# KiCad board reform2-motherboard25.kicad_pcb (continued)
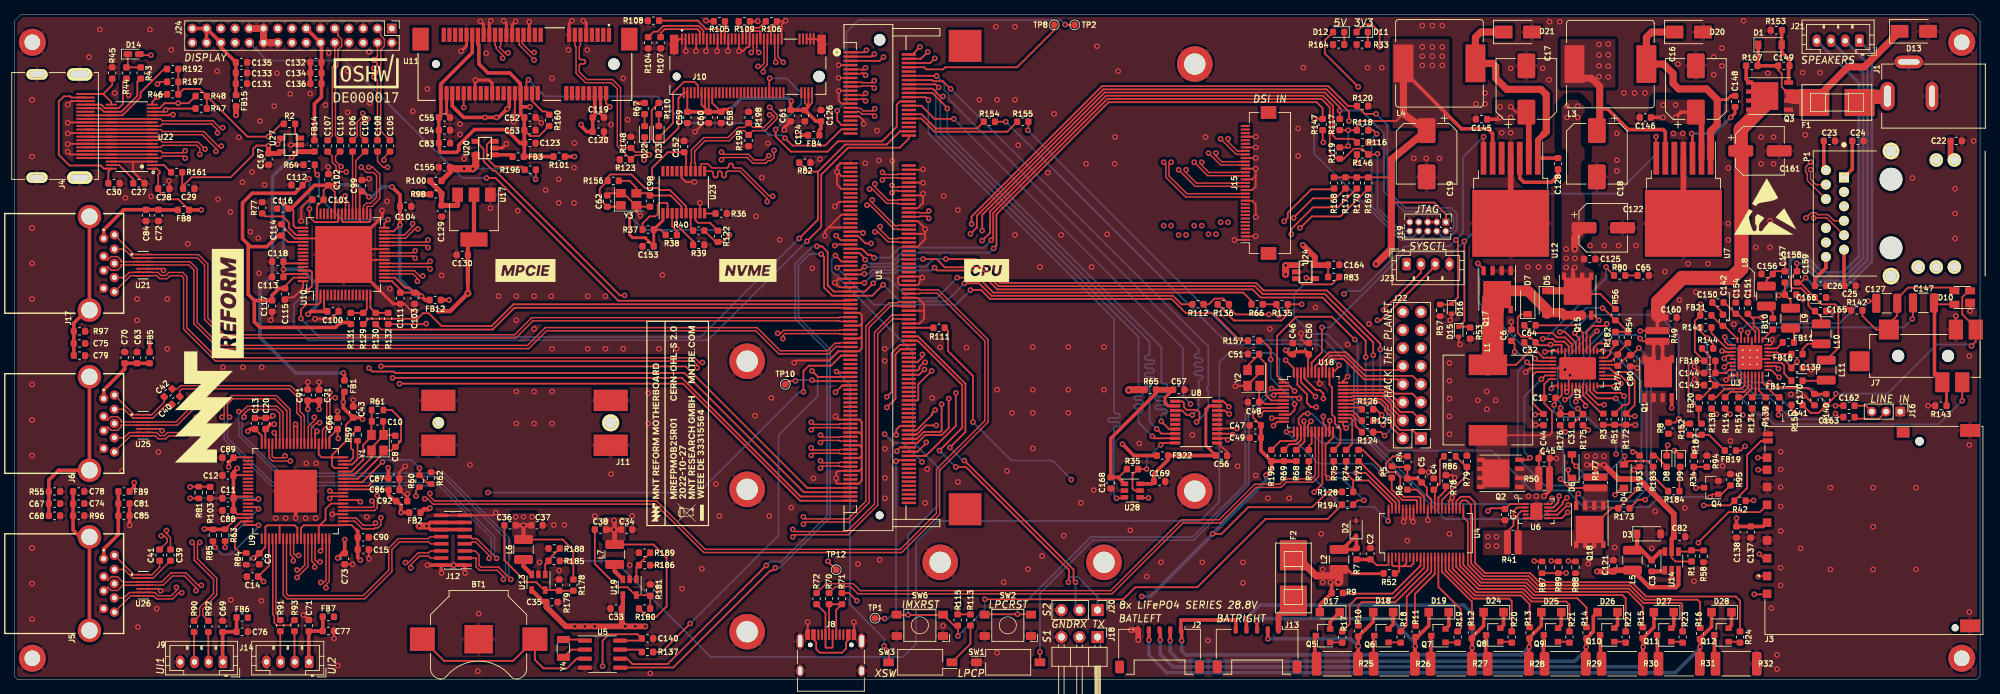
[diagram p0: board, top side]
## Routing (per net, layer and track width the routed paths; a pad name or vN(x,y) marks a point on that pad's centre or on a via; arc(x,y) is an arc through that point) (continued)
  Signal.Cu w0.25: v1(135.9,61.7) 134.3,60.1 116.1,60.1 v1(115.2,61)
HDMI_CEC: length 140.1
  Top w0.25: U22.16 21.63,79.3 21.73,79.4 v1(22.3,79.4) ; v1(53.12,42.41) 93.72,42.41 110.39,25.75 U1.197 ; R197.1 20.4,84 v1(20.1,83.7)
  Signal.Cu w0.25: v1(53.12,42.41) 49.89,42.41 43.55,48.75 40.79,48.75 17.05,72.49 17.05,77.35 20.7,81 21.2,81 ; 21.2,81 21.2,82.6 v1(20.1,83.7) ; 21.2,81 21.6,81 22.3,80.3 v1(22.3,79.4)
HDMI_CLK+: length 125.7
  Top w0.2: U1.165 115.9,35.35 115.82,35.42 112.2,35.42 v1(111.9,35.12) ; U22.13 20.55,77.8 20.83,78.08 27.71,78.08 28.53,77.25 v1(28.53,76.83)
  Top w0.25: U22.13 U22.26 J4.10
  Signal.Cu w0.2: v1(111.9,35.12) 111.6,35.42 98.56,35.42 95.41,38.58 67.21,38.58 28.95,76.83 v1(28.53,76.83)
HDMI_CLK-: length 125.7
  Top w0.2: v1(29.27,77.57) 28.85,77.57 27.89,78.53 20.83,78.53 20.55,78.8 U22.15 ; U1.163 115.9,35.95 115.82,35.88 112.2,35.88 v1(111.9,36.17)
  Top w0.25: J4.12 U22.24 U22.15
  Signal.Cu w0.2: v1(29.27,77.57) 29.27,77.15 67.39,39.03 95.59,39.03 98.74,35.88 111.6,35.88 v1(111.9,36.17)
HDMI_D0+: length 125.8
  Top w0.2: U22.29 U22.10 20.55,76.3 20.83,76.58 26.41,76.58 28.33,74.65 v1(28.33,74.23) ; v1(113.2,33.33) 113.5,33.62 115.82,33.62 115.9,33.55 U1.171
  Top w0.25: J4.7 U22.29
  Signal.Cu w0.2: v1(113.2,33.33) 112.9,33.62 69.36,33.62 28.75,74.23 v1(28.33,74.23)
HDMI_D0-: length 125.8
  Top w0.2: U1.169 115.9,34.15 115.82,34.08 113.5,34.08 v1(113.2,34.38) ; v1(29.07,74.97) 28.65,74.97 26.59,77.03 20.83,77.03 20.55,77.3 U22.12
  Top w0.25: U22.12 U22.27 J4.9
  Signal.Cu w0.2: v1(113.2,34.38) 112.9,34.08 69.54,34.08 29.07,74.55 v1(29.07,74.97)
HDMI_D1+: length 126.7
  Top w0.2: v1(111.9,31.53) 112.2,31.83 115.82,31.83 115.9,31.75 U1.177 ; U22.32 U22.7 20.55,74.8 20.83,75.08 25.63,75.08 26.05,74.65 v1(26.05,73.8)
  Top w0.25: U22.32 J4.4
  Signal.Cu w0.2: v1(111.9,31.53) 111.6,31.83 106.26,31.83 105.71,32.38 99.44,32.38 98.89,31.83 68.46,31.83 26.48,73.8 v1(26.05,73.8)
HDMI_D1-: length 126.4
  Top w0.2: v1(111.9,32.58) 112.2,32.28 115.82,32.28 115.9,32.35 U1.175 ; U22.9 20.55,75.8 20.83,75.53 25.82,75.53 v1(26.8,74.55)
  Top w0.25: U22.9 U22.30 J4.6
  Signal.Cu w0.2: v1(111.9,32.58) 111.6,32.28 106.44,32.28 105.89,32.83 99.26,32.83 98.71,32.28 68.64,32.28 26.8,74.12 v1(26.8,74.55)
HDMI_D2+: length 126.5
  Top w0.2: U1.183 115.9,29.95 115.82,30.03 113.5,30.03 v1(113.2,29.72) ; U22.35 U22.4 20.55,73.3 20.83,73.58 23.7,73.58 v1(24,73.28)
  Top w0.25: U22.35 J4.1
  Signal.Cu w0.2: v1(113.2,29.72) 112.9,30.03 105.56,30.03 104.76,30.83 100.54,30.83 99.74,30.03 67.66,30.03 24.41,73.28 v1(24,73.28)
HDMI_D2-: length 126.7
  Top w0.2: U1.181 115.9,30.55 115.82,30.47 113.5,30.47 v1(113.2,30.78) ; v1(24,74.33) 23.7,74.03 20.83,74.03 20.55,74.3 U22.6
  Top w0.25: J4.3 U22.33 U22.6
  Signal.Cu w0.2: v1(24,74.33) 67.85,30.47 99.56,30.47 100.36,31.28 104.94,31.28 105.74,30.47 112.9,30.47 v1(113.2,30.78)
HDMI_HPD: length 134.2
  Top w0.25: v1(54.1,41.6) 93.9,41.6 110.35,25.15 U1.199 ; U22.19 19.38,81.18 v1(20.05,81.85) 20.45,82.25 R46.1
  Signal.Cu w0.25: v1(54.1,41.6) 50,41.6 43.3,48.3 40.6,48.3 16.6,72.3 16.6,78.4 v1(20.05,81.85)
HDMI_SCL: length 129.4
  Top w0.25: R47.1 21.46,80.25 v1(21.26,80.05) 21.01,79.8 U22.17 ; v1(49.79,43.79) 50.27,43.3 53.31,43.3 53.51,43.1 94.1,43.1 110.85,26.35 U1.195
  Signal.Cu w0.25: v1(21.26,80.05) 21.26,72.36 41.11,52.5 41.46,52.5 49.39,44.58 49.39,44.19 v1(49.79,43.79)
HDMI_SDA: length 129.3
  Top w0.25: U22.18 20.41,80.3 21.11,81 v1(23,81) 24.46,81 R48.1 ; U1.193 111.35,26.95 94.27,44.03 v1(51.5,44.03)
  Signal.Cu w0.25: v1(23,81) 23,80.43 23.1,80.33 23.1,71.15 41.3,52.95 41.65,52.95 50.57,44.03 v1(51.5,44.03)
IMX_FBOOT: length 45.9
  Top w0.25: v1(122.15,4.75) 122.8,4.1 122.8,2.5 ; U1.139 115.6,43.15 v1(115.45,43.3)
  Bottom w0.25: v1(122.15,4.75) 122.15,5.75 117.35,10.55 117.35,41.4 v1(115.45,43.3)
IMX_JTAG_TCK: length 113.4
  Top w0.25: U1.73 118.99,62.95 v1(119.17,62.77) ; v1(134.41,64.02) 134.41,65.09 152.72,83.4 184.5,83.4 187.3,80.6 R120.1 189.61,79.5 v1(191.2,79.5)
  Signal.Cu w0.25: v1(119.17,62.77) 119.74,62.2 132.58,62.2 v1(134.41,64.02)
  Bottom w0.25: J19.4 200.56,62.2 201.52,62.2 202.5,63.19 202.5,65.5 201.7,66.3 195.3,66.3 192.8,68.8 192.8,77.9 v1(191.2,79.5)
IMX_JTAG_TDI: length 108.3
  Top w0.25: v1(120.3,61.3) 119.52,61.3 118.47,62.35 U1.75 ; v1(134.26,62.65) 135.15,63.55 135.15,65.2 152.9,82.95 184.25,82.95 187.4,79.8 v1(187.4,78.5) ; v1(191.3,76.7) 190.8,77.2 R118.2
  Signal.Cu w0.25: v1(120.3,61.3) 132.9,61.3 v1(134.26,62.65)
  Bottom w0.25: v1(187.4,78.5) 189.5,78.5 v1(191.3,76.7) 190.57,75.97 190.57,66.49 194.86,62.2 196.36,62.2 J19.8
IMX_JTAG_TMS: length 116.5
  Top w0.25: v1(115.4,62.4) 116.05,61.75 U1.77 ; v1(135.9,63.1) 135.9,65.31 153.09,82.5 184,82.5 186.1,80.4 R117.2
  Signal.Cu w0.25: v1(115.4,62.4) 117.23,60.57 133.37,60.57 v1(135.9,63.1)
  Bottom w0.25: J19.2 201.71,63.03 202.05,63.37 202.05,65.15 201.4,65.8 195.1,65.8 192.3,68.6 192.3,76.77 189.1,79.97 v1(186.07,79.97)
IMX_RESETn: length 134.3
  Top w0.25: R194.1 184.41,22.6 175.7,22.6 166.1,13 157.4,13 155.7,11.3 v1(136.25,11.3) ; SW6.2 123.95,9.1 v1(125.5,9.1) 130.35,9.1 SW6.2 131.94,7.61 R115.2 132.5,7.56 v1(132.5,6.15) ; v1(115.3,59.6) 116.15,58.75 U1.87
  Bottom w0.25: v1(132.5,6.15) 136.25,9.9 v1(136.25,11.3) ; v1(115.3,59.6) 114.77,59.07 114.77,57.43 126.15,46.05 126.15,33.4 129.8,29.75 129.8,24.6 125.5,20.3 v1(125.5,9.1)
IMX_RTC_IRQ: length 55.9
  Top w0.25: U1.141 112.85,42.55 v1(112,43.4) ; R137.1 90.9,3.9 v1(94.9,7.9)
  Bottom w0.25: v1(112,43.4) 112.8,42.6 112.8,39.83 107.3,34.33 107.3,20.3 v1(94.9,7.9)
IMX_UART1_RX: length 64.9
  Top w0.25: U1.126 124.35,47.05 123.2,45.9 123.2,40.45 v1(122.5,39.75)
  Signal.Cu w0.25: J18.2 150.74,4.82 153.21,4.82 153.28,4.89 153.28,7.11 153.21,7.18 152.22,7.18 150.92,8.48 150.92,10.17 149.51,11.59 144.05,11.59 125.75,29.89 125.75,34.46 123.5,36.71 123.5,38.75 v1(122.5,39.75)
IMX_UART1_TX: length 57
  Top w0.25: v1(122.5,38.25) 123.73,39.48 123.73,45.74 124.44,46.45 U1.128
  Signal.Cu w0.25: v1(122.5,38.25) 122.5,37.07 125.3,34.27 125.3,29.7 143.86,11.14 147.42,11.14 148.38,10.17 148.38,9.24 151.62,6 J18.1
IMX_UART2_RX: length 51.1
  Top w0.25: v1(133.4,30.8) 148.73,15.47 148.73,13.97 v1(149,13.7) ; v1(131.36,32.64) 133.55,34.82 133.55,41.59 126.89,48.25 U1.122
  Bottom w0.25: v1(149,13.7) 149,10.36 J20.2 ; v1(133.4,30.8) 133.2,30.8 v1(131.36,32.64)
IMX_UART2_TX: length 55.3
  Top w0.25: v1(132.2,29.9) 133.6,29.9 148.1,15.4 148.1,13.8 v1(148,13.7) ; U1.124 126.85,47.65 133.1,41.4 133.1,35.4 v1(129.9,32.2)
  Bottom w0.25: v1(129.9,32.2) v1(132.2,29.9) ; v1(148,13.7) 148,14.27 148.16,14.43 149.35,14.43 152.1,11.67 J20.1
IMX_WAKE: length 93
  Top w0.25: v1(115.3,40.4) 116.25,41.35 U1.145 ; v1(182.5,26.35) 183.65,27.5 U18.21
  Signal.Cu w0.25: v1(182.5,26.35) 182.5,26.2 178.15,21.85 134.42,21.85 126.2,30.07 126.2,34.65 123.95,36.9 123.95,39.75 122.9,40.8 115.7,40.8 v1(115.3,40.4)
INA_SCL: length 49
  Top w0.25: U6.10 215.8,24.7 215.9,24.8 v1(215.9,25.5) ; v1(181.6,37.4) 181.03,37.4 180.33,36.7 180.33,35.98 180.65,35.66 U18.15 180.65,33.65 180.1,33.1 179.06,33.1 R69.2
  Bottom w0.25: v1(181.6,37.4) 182.17,37.4 185.87,33.7 190.4,33.7 199.4,24.7 215.1,24.7 v1(215.9,25.5)
INA_SDA: length 50.9
  Top w0.25: v1(216.9,25.8) 216.75,25.65 216.75,24.85 216.1,24.2 U6.9 ; v1(181.05,36.32) 181.15,36.23 U18.16 181.15,33.44 R68.2
  Bottom w0.25: v1(181.05,36.32) 181.05,35.76 183.56,33.25 190.21,33.25 200.89,22.58 214.28,22.58 216.9,25.2 v1(216.9,25.8)
LPC_MISO: length 95.9
  Top w0.25: U1.93 119.28,56.95 v1(119.36,57.03) ; v1(191.8,46.4) 191.8,47.2 184.3,54.7 175.4,54.7 174.35,55.75 138.38,55.75 135.03,59.1 v1(130.8,59.1) ; R124.2 191.9,34.8 v1(192.4,34.3)
  Bottom w0.25: v1(130.8,59.1) 129.03,59.1 127.98,58.05 123.97,58.05 123.49,57.57 120.47,57.57 119.92,57.03 v1(119.36,57.03) ; v1(192.4,34.3) 193.3,35.2 193.3,39 191.8,40.5 v1(191.8,46.4)
LPC_MOSI: length 93.2
  Top w0.25: U1.91 118.85,57.55 119.33,58.03 v1(119.39,58.03) ; R125.2 191.6,36.4 v1(192.2,35.8) ; v1(190.8,45.6) 190.8,47.4 184,54.2 175.26,54.2 174.16,55.3 138.19,55.3 135.54,57.95 130.65,57.95 129.5,59.1 v1(127.6,59.1)
  Bottom w0.25: v1(127.6,59.1) 127.57,59.13 124.42,59.13 123.31,58.02 119.96,58.02 119.96,58.03 v1(119.39,58.03) ; v1(192.2,35.8) 192.73,36.33 192.73,38.07 190.8,40 v1(190.8,45.6)
LPC_SCK: length 90.4
  Top w0.25: v1(192,37.2) 191.2,38 R126.2 ; v1(129.2,57.9) 129.6,57.5 135.35,57.5 138,54.85 173.85,54.85 175,53.7 183.67,53.7 189.74,47.64 v1(189.74,45.33) ; U1.97 v1(119.35,55.75)
  Bottom w0.25: v1(119.35,55.75) 120.72,57.12 123.68,57.12 124.06,57.5 128.8,57.5 v1(129.2,57.9) ; v1(189.74,45.33) 189.74,39.46 v1(192,37.2)
LPC_SS0: length 65.7
  Top w0.25: R157.2 172.1,47.65 168.25,51.5 164.5,51.5 162.5,53.5 137,53.5 135.75,54.75 v1(134.25,54.75) ; U1.89 115.75,58.15 v1(115.5,57.9)
  Bottom w0.25: v1(115.5,57.9) 120.7,52.7 132.2,52.7 v1(134.25,54.75)
LPC_UART2_RX: length 63.9
  Top w0.25: U18.37 186,44.01 v1(186,44.2) ; R154.1 v1(139.2,78.4)
  Bottom w0.25: v1(186,44.2) 183.07,47.13 170.47,47.13 v1(139.2,78.4)
LPC_UART2_TX: length 62.7
  Top w0.25: R155.2 142.39,77.29 v1(142.3,77.2) ; v1(187.2,42.6) 186.56,41.96 U18.36
  Bottom w0.25: v1(187.2,42.6) 187.2,44.47 183.97,47.71 171.79,47.71 v1(142.3,77.2)
LPC_VCC: length 326.4
  Top w0.25: R128.2 184.4,26.4 182.25,24.25 173.25,24.25 169.5,20.5 v1(168.25,20.5) ; U18.44 181.65,45.08 181.75,45.17 C50.1 ; v1(206.9,23.7) 207.3,24.1 209.19,24.1 C7.1 210.01,24.7 U6.1 ; v1(217.9,15) 217.88,14.97 R89.2 R87.2 ; U18.8 178.21,38.23 177.41,38.23 177.38,38.2 175.26,38.2 175.25,38.18 175.23,38.2 174.73,38.2 173.9,37.37 173.9,36.89 C47.1 ; v1(82.6,1.9) 82.6,5.5 83.5,6.4 87.51,6.4 C140.2 87.82,5.5 85.08,5.5 ; v1(118.3,11.1) 117.21,12.19 R71.1
  Top w0.5: C50.1 181.36,46.1 179.89,46.1 C46.1 179.09,45.71 v1(178.5,46.3) ; 179.75,30.71 R195.1 ; R195.1 175.04,32.17 C47.1 ; R195.1 176.5,29.5 v1(175.75,28.75)
  Top w0.6: L5.2 229.6,13 233.3,13 233.65,13.35 U14.3
  Top w0.8: L5.2 224.69,15.4 C121.2 v1(223.21,15.21) v1(222.21,15.21)
  Power.Cu w0.25: 120.7,3.1 120.6,3.2 120.6,8.8 v1(118.3,11.1) ; v1(217.9,15) 217.9,13.8 219.35,12.35 ; 209.5,10.7 209.6,10.8 209.6,21 v1(206.9,23.7)
  Power.Cu w0.4: v1(82.6,1.9) 83.8,3.1 131.5,3.1 140.1,11.7 v1(158.3,11.7)
  Power.Cu w0.5: 182.25,44.35 182.65,43.95 182.65,42.65 181.5,41.5 181.5,38.81 179.68,36.99 179.68,32.68 v1(175.75,28.75) ; 182.25,44.35 J23.1 195.5,55.7 197.5,53.7 J22.15 ; 182.25,44.35 180.3,46.3 v1(178.5,46.3)
  Power.Cu w1: v1(168.25,20.5) 172.95,20.5 182.75,10.7 217.7,10.7 v1(222.21,15.21) v1(223.21,15.21)
  Bottom w0.5: 168.3,20.5 159.5,11.7 v1(158.3,11.7) ; v1(168.25,20.5) 175.75,28 v1(175.75,28.75)
PCIE1_CLK_N: length 66.2
  Top w0.2: U1.60 124.1,66.85 124.02,66.92 122.51,66.92 120.5,68.93 v1(120.08,68.93) ; U11.11 79.5,89.1 79.33,88.92 79.33,87.42 79.33,87.36 79.35,87.29 79.39,87.24 79.44,87.19 79.49,87.15 79.56,87.13 79.62,87.12 79.9,87.12 79.97,87.12 80.03,87.1 80.09,87.06 80.14,87.01 80.17,86.96 80.2,86.89 80.2,86.83 80.2,86.76 80.17,86.69 80.14,86.64 80.09,86.59 80.03,86.55 79.97,86.53 79.9,86.53 79.62,86.53 79.56,86.52 79.49,86.5 79.44,86.46 79.39,86.41 79.35,86.36 79.33,86.29 79.33,86.22 79.33,85.39 80.39,84.33 83.99,84.33 85.12,83.19 85.12,75.2 85.61,74.71 R148.2 87.17,74.14 88.38,74.14 88.75,73.77 v1(89.17,73.77) ; v1(99.3,74.12) 99.6,73.83 103.09,73.83 103.89,73.03 105.32,73.03 v1(105.93,73.63)
  Signal.Cu w0.2: v1(99.3,74.12) 99,73.83 96.01,73.83 95.66,73.48 89.46,73.48 v1(89.17,73.77) ; v1(105.93,73.63) 106.35,73.63 110.76,69.22 119.79,69.22 v1(120.08,68.93)
PCIE1_CLK_P: length 68.2
  Top w0.2: v1(99.3,73.08) 99.6,73.38 102.91,73.38 103.71,72.58 105.51,72.58 105.87,72.93 106.26,72.93 106.63,73.29 106.63,73.69 106.67,73.73 v1(106.67,74.37) ; U1.58 124.1,67.45 124.02,67.38 122.69,67.38 120.82,69.25 v1(120.82,69.67) ; U11.13 78.7,89.1 78.88,88.92 78.88,85.21 80.21,83.88 83.81,83.88 84.67,83.01 84.67,75.01 R123.2 87.17,73.69 88.19,73.69 88.43,73.45 v1(88.43,73.03)
  Signal.Cu w0.2: v1(88.43,73.03) 95.85,73.03 96.19,73.38 99,73.38 v1(99.3,73.08) ; v1(120.82,69.67) 110.95,69.67 106.67,73.95 v1(106.67,74.37)
PCIE1_PWR_EN: length 182.1
  Top w0.25: v1(85.7,54) 85.05,54 67.55,71.5 67.25,71.5 65.9,72.85 65.9,74.55 U20.4 ; R186.1 v1(90.7,16.1) ; U18.9 175.45,37.75 v1(174.9,37.2)
  Signal.Cu w0.25: v1(85.7,54) 103.2,54 111.5,45.7 119.54,45.7 126.65,38.59 126.65,33 127.5,32.15 128.74,32.15 136.04,39.45 161.3,39.45 162.25,40.4 171.7,40.4 v1(174.9,37.2)
  Power.Cu w0.25: v1(85.7,54) 87.95,51.75 87.95,18.85 v1(90.7,16.1)
PCIE1_RESETn: length 52
  Top w0.25: U11.22 71.9,84 v1(72.2,84.3) ; v1(108.2,76.1) 109.25,75.05 113.85,75.05 116.15,77.35 U1.37
  Bottom w0.25: v1(72.2,84.3) 74.55,81.95 90.3,81.95 94.05,78.2 104.33,78.2 106.03,76.5 107.8,76.5 v1(108.2,76.1)
PCIE1_RX_N: length 81
  Top w0.2: v1(123.25,68.42) 123.55,68.72 124.02,68.72 124.1,68.65 U1.54 ; U11.23 71.5,89.9 71.33,89.72 71.33,89.39 72.59,88.12 v1(73,88.12)
  Signal.Cu w0.2: v1(73,88.12) 73.3,87.83 74.11,87.83 75.89,89.61 75.93,89.66 75.96,89.72 75.98,89.79 75.98,89.85 75.96,89.92 75.93,89.98 75.89,90.03 75.86,90.07 75.81,90.12 75.78,90.18 75.77,90.25 75.77,90.31 75.78,90.38 75.81,90.44 75.86,90.49 75.91,90.54 75.97,90.56 76.03,90.58 76.1,90.58 76.17,90.56 76.23,90.54 76.28,90.49 76.32,90.46 76.37,90.42 76.43,90.39 76.49,90.37 76.56,90.37 76.63,90.39 76.69,90.42 76.74,90.46 77.81,91.53 108.09,91.53 111.07,88.54 111.07,83.59 112.32,82.34 112.32,79.19 116.79,74.72 124.74,74.72 126.18,73.29 126.18,69.61 125.29,68.72 123.55,68.72 v1(123.25,68.42)
PCIE1_RX_P: length 81
  Top w0.2: U1.52 124.1,69.25 124.02,69.17 123.55,69.17 v1(123.25,69.47) ; v1(73,87.08) 70.88,89.2 70.88,89.72 70.7,89.9 U11.25
  Signal.Cu w0.2: v1(123.25,69.47) 123.55,69.17 125.11,69.17 125.72,69.79 125.72,73.11 124.56,74.28 116.61,74.28 111.88,79.01 111.88,82.16 110.62,83.41 110.62,88.36 107.91,91.08 77.99,91.08 75.76,88.84 75.72,88.79 75.69,88.73 75.67,88.66 75.67,88.59 75.69,88.53 75.72,88.47 75.76,88.42 75.97,88.2 76.01,88.15 76.04,88.09 76.05,88.03 76.05,87.96 76.04,87.89 76.01,87.83 75.97,87.78 75.92,87.74 75.86,87.71 75.79,87.69 75.72,87.69 75.66,87.71 75.6,87.74 75.54,87.78 75.33,87.99 75.28,88.03 75.22,88.06 75.15,88.08 75.09,88.08 75.02,88.06 74.96,88.03 74.91,87.99 74.29,87.38 73.3,87.38 v1(73,87.08)
PCIE1_TX_N: length 85.2
  Top w0.2: U1.48 124.1,70.45 124.02,70.53 122.2,70.53 v1(121.9,70.22) ; v1(69.32,88.07) 68.9,88.07 68.12,88.84 68.12,88.92 68.3,89.1 U11.31
  Signal.Cu w0.2: v1(69.32,88.07) 67.79,88.07 67.33,87.61 67.33,85.96 71.11,82.17 73.53,82.17 73.57,82.17 73.61,82.16 73.64,82.13 73.67,82.1 73.7,82.07 73.71,82.03 73.72,81.94 73.74,81.9 73.76,81.86 73.79,81.83 73.83,81.81 73.87,81.8 73.91,81.79 74.12,81.79 74.17,81.8 74.21,81.81 74.24,81.83 74.27,81.86 74.3,81.9 74.31,81.94 74.32,82.03 74.34,82.07 74.36,82.1 74.39,82.13 74.43,82.16 74.47,82.17 74.51,82.17 85.69,82.17 87.53,84.01 87.53,87.61 89.44,89.53 107.11,89.53 109.22,87.41 109.22,82.81 110.32,81.71 110.32,78.76 118.56,70.53 121.6,70.53 v1(121.9,70.22)
PCIE1_TX_P: length 85
  Top w0.2: U1.46 124.1,71.05 124.02,70.97 122.2,70.97 v1(121.9,71.28) ; v1(68.58,87.33) 68.58,87.75 67.67,88.66 67.67,88.92 67.5,89.1 U11.33
  Signal.Cu w0.2: v1(68.58,87.33) 68.29,87.62 67.97,87.62 67.78,87.42 67.78,86.14 71.29,82.62 75.12,82.62 75.19,82.63 75.26,82.65 75.31,82.69 75.36,82.74 75.4,82.79 75.42,82.86 75.42,82.92 75.42,83.08 75.43,83.15 75.45,83.21 75.49,83.27 75.54,83.32 75.59,83.35 75.66,83.37 75.72,83.38 75.79,83.37 75.86,83.35 75.91,83.32 75.96,83.27 76,83.21 76.02,83.15 76.03,83.08 76.03,82.92 76.03,82.86 76.05,82.79 76.09,82.74 76.14,82.69 76.19,82.65 76.26,82.63 76.33,82.62 76.39,82.63 76.46,82.65 76.51,82.69 76.56,82.74 76.6,82.79 76.62,82.86 76.62,82.92 76.62,83.08 76.63,83.15 76.65,83.21 76.69,83.27 76.74,83.32 76.79,83.35 76.86,83.37 76.92,83.38 76.99,83.37 77.06,83.35 77.11,83.32 77.16,83.27 77.2,83.21 77.22,83.15 77.22,83.08 77.22,82.92 77.23,82.86 77.25,82.79 77.29,82.74 77.34,82.69 77.39,82.65 77.46,82.63 77.53,82.62 85.51,82.62 87.08,84.19 87.08,87.79 89.26,89.97 107.29,89.97 109.68,87.59 109.68,82.99 110.78,81.89 110.78,78.94 118.74,70.97 121.6,70.97 v1(121.9,71.28)
PCIE2_CLK_N: length 40
  Top w0.2: v1(105.73,67.18) 105.73,67.55 105.72,67.56 105.72,67.61 101.88,71.45 100.25,71.45 100.18,71.44 100.12,71.42 100.06,71.38 100.02,71.34 99.98,71.28 99.96,71.22 99.95,71.15 99.95,70.85 99.94,70.78 99.92,70.72 99.88,70.66 99.84,70.61 99.78,70.58 99.72,70.55 99.65,70.55 99.58,70.55 99.52,70.58 99.46,70.61 99.42,70.66 99.38,70.72 99.36,70.78 99.35,70.85 99.35,71.15 99.34,71.22 99.32,71.28 99.28,71.34 99.24,71.38 99.18,71.42 99.12,71.44 99.05,71.45 98.98,71.44 98.92,71.42 98.86,71.38 98.82,71.34 98.78,71.28 98.76,71.22 98.75,71.15 98.75,70.85 98.74,70.78 98.72,70.72 98.68,70.66 98.64,70.61 98.58,70.58 98.52,70.55 98.45,70.55 98.38,70.55 98.32,70.58 98.26,70.61 98.22,70.66 98.18,70.72 98.16,70.78 98.15,70.85 98.15,71.15 98.14,71.22 98.12,71.28 98.08,71.34 98.04,71.38 97.98,71.42 97.92,71.44 97.85,71.45 U23.11 ; U1.66 127.1,65.05 127.18,65.12 128.1,65.12 v1(128.4,64.83)
  Signal.Cu w0.2: v1(105.73,67.18) 106.15,67.18 108.21,65.12 128.1,65.12 v1(128.4,64.83)
PCIE2_CLK_P: length 40
  Top w0.2: v1(106.47,67.92) 106.05,67.92 102.07,71.9 101.2,71.9 101.13,71.91 101.07,71.93 101.01,71.97 100.97,72.01 100.93,72.07 100.91,72.13 100.9,72.2 100.9,72.25 100.89,72.31 100.87,72.38 100.83,72.43 100.79,72.48 100.73,72.52 100.67,72.54 100.6,72.55 100.53,72.54 100.47,72.52 100.41,72.48 100.37,72.43 100.33,72.38 100.31,72.31 100.3,72.25 100.3,72.2 100.29,72.13 100.27,72.07 100.23,72.01 100.19,71.97 100.13,71.93 100.07,71.91 100,71.9 97.97,71.9 97.39,72.48 96.46,72.48 96.4,72.42 96.4,71.57 U23.12 ; U1.64 127.1,65.65 127.18,65.58 128.1,65.58 v1(128.4,65.88)
  Signal.Cu w0.2: v1(106.47,67.92) 106.47,67.5 108.39,65.58 128.1,65.58 v1(128.4,65.88)
PCIE2_RESETn: length 39.2
  Top w0.25: U1.24 124.35,81.25 123.9,80.8 123.9,77.7 121.85,75.65 115.65,75.65 114.2,74.2 109.03,74.2 106.9,76.33 v1(106.9,77.3) ; J10.50 106,84.45 v1(106.05,84.5)
  Bottom w0.25: v1(106.9,77.3) 110.5,80.9 110.5,82.4 108.4,84.5 v1(106.05,84.5)
PCIE2_RX_N: length 50
  Top w0.2: U1.78 124.1,61.45 124.02,61.53 122.66,61.53 121.25,62.93 v1(120.83,62.93) ; J10.41 103.75,88.86 103.78,88.84 103.78,88.42 v1(103.47,88.12)
  Signal.Cu w0.2: v1(103.47,88.12) 103.47,87.71 101.57,85.81 101.57,85.03 101.57,84.96 101.55,84.89 101.51,84.84 101.46,84.79 101.41,84.75 101.34,84.73 101.28,84.72 101.17,84.72 101.1,84.72 101.04,84.7 100.98,84.66 100.94,84.61 100.9,84.56 100.88,84.49 100.87,84.42 100.88,84.36 100.9,84.29 100.94,84.24 100.98,84.19 101.04,84.15 101.1,84.13 101.17,84.12 101.28,84.12 101.34,84.12 101.41,84.1 101.46,84.06 101.51,84.01 101.55,83.96 101.57,83.89 101.57,83.83 101.57,69.41 107.31,63.67 120.51,63.67 120.83,63.35 v1(120.83,62.93)
PCIE2_RX_P: length 50
  Top w0.2: U1.76 124.1,62.05 124.02,61.97 122.84,61.97 121.57,63.25 v1(121.57,63.67) ; J10.43 104.25,88.86 104.22,88.84 104.22,88.42 v1(104.53,88.12)
  Signal.Cu w0.2: v1(121.57,63.67) 121.15,63.67 120.69,64.12 107.49,64.12 102.03,69.59 102.03,82.12 102.03,82.19 102.05,82.26 102.09,82.31 102.14,82.36 102.19,82.4 102.26,82.42 102.32,82.42 102.68,82.42 102.75,82.43 102.81,82.45 102.87,82.49 102.91,82.54 102.95,82.59 102.97,82.66 102.98,82.72 102.97,82.79 102.95,82.86 102.91,82.91 102.87,82.96 102.81,83 102.75,83.02 102.68,83.03 102.32,83.03 102.26,83.03 102.19,83.05 102.14,83.09 102.09,83.14 102.05,83.19 102.03,83.26 102.03,83.33 102.03,85.62 v1(104.53,88.12)
PCIE2_TX_N: length 44.1
  Top w0.2: U1.72 124.1,63.25 124.02,63.33 123.51,63.33 120.15,66.68 v1(119.73,66.68) ; v1(104.43,86.17) 104.85,86.17 105.28,86.59 105.28,88.84 105.25,88.86 J10.47
  Signal.Cu w0.2: v1(104.43,86.17) 104.43,85.75 104.18,85.49 104.18,81.67 104.17,81.62 104.15,81.56 104.12,81.51 104.07,81.47 104.02,81.43 103.97,81.41 103.85,81.4 103.79,81.38 103.74,81.35 103.7,81.31 103.67,81.26 103.65,81.2 103.64,81.14 103.64,81.08 103.65,81.02 103.67,80.96 103.7,80.91 103.74,80.87 103.79,80.83 103.85,80.81 103.97,80.8 104.02,80.78 104.07,80.75 104.12,80.71 104.15,80.66 104.17,80.6 104.18,80.54 104.18,73.01 109.81,67.38 119.46,67.38 119.73,67.1 v1(119.73,66.68)
PCIE2_TX_P: length 44
  Top w0.2: v1(105.17,85.43) 105.17,85.85 105.72,86.41 105.72,88.84 105.75,88.86 J10.49 ; v1(120.47,67.42) 120.47,67 123.69,63.78 124.02,63.78 124.1,63.85 U1.70
  Signal.Cu w0.2: v1(105.17,85.43) 104.6,84.86 104.6,83.7 104.61,83.63 104.63,83.57 104.67,83.51 104.71,83.47 104.77,83.43 104.83,83.41 104.9,83.4 105.3,83.4 105.37,83.39 105.43,83.37 105.49,83.33 105.53,83.29 105.57,83.23 105.59,83.17 105.6,83.1 105.59,83.03 105.57,82.97 105.53,82.91 105.49,82.87 105.43,82.83 105.37,82.81 105.3,82.8 104.9,82.8 104.83,82.79 104.77,82.77 104.71,82.73 104.67,82.69 104.63,82.63 104.61,82.57 104.6,82.5 104.6,78.11 104.62,78.09 104.62,73.19 109.99,67.83 120.07,67.83 v1(120.47,67.42)
SD2_CD: length 156.2
  Top w0.25: v1(131.9,78.8) 129.2,78.8 127.35,80.65 U1.26 ; v1(237.2,24.5) 240.86,24.5 R42.2 243.15,26.79 243.15,26.8 243.3,26.95 243.3,31.6 245.27,33.57 J3.10
  Signal.Cu w0.25: v1(237.2,24.5) 235.5,22.8 213.1,22.8 203.4,32.5 177.6,32.5 170.85,39.25 165.65,39.25 v1(165.15,38.75)
  Bottom w0.25: v1(165.15,38.75) 164.1,39.8 164.1,46.6 v1(131.9,78.8)
SD2_CLK: length 75
  Top w0.25: U1.22 127.95,81.85 v1(128.35,81.45) ; v1(154.75,25.5) 155.74,25.5 U28.3
  Bottom w0.25: v1(154.75,25.5) 154.4,25.85 154.4,35.3 arc(154.49,35.51) 154.7,35.6 154.94,35.6 arc(155.15,35.69) 155.24,35.9 arc(155.15,36.11) 154.94,36.2 153.86,36.2 arc(153.65,36.29) 153.56,36.5 arc(153.65,36.71) 153.86,36.8 154.94,36.8 arc(155.15,36.89) 155.24,37.1 arc(155.15,37.31) 154.94,37.4 154.7,37.4 arc(154.49,37.49) 154.4,37.7 154.4,50.7 128.35,76.75 v1(128.35,81.45)
SD2_CMD: length 75
  Top w0.25: 163,35.22 162.12,35.22 v1(161.05,36.3) ; U1.20 128.9,82.45 131,80.35 v1(131,80.25)
  Bottom w0.25: v1(161.05,36.3) 161.05,37.1 arc(161.14,37.31) 161.35,37.4 161.6,37.4 arc(161.81,37.49) 161.9,37.7 arc(161.81,37.91) 161.6,38 160.5,38 arc(160.29,38.09) 160.2,38.3 arc(160.29,38.51) 160.5,38.6 161.6,38.6 arc(161.81,38.69) 161.9,38.9 arc(161.81,39.11) 161.6,39.2 160.5,39.2 arc(160.29,39.29) 160.2,39.5 arc(160.29,39.71) 160.5,39.8 161.6,39.8 arc(161.81,39.89) 161.9,40.1 arc(161.81,40.31) 161.6,40.4 160.5,40.4 arc(160.29,40.49) 160.2,40.7 arc(160.29,40.91) 160.5,41 161.6,41 arc(161.81,41.09) 161.9,41.3 arc(161.81,41.51) 161.6,41.6 161.35,41.6 arc(161.14,41.69) 161.05,41.9 161.05,46.75 131,76.8 v1(131,80.25)
SD2_DATA0: length 75
  Top w0.25: U1.12 129.48,84.85 v1(129.5,84.83) ; U8.3 163.97,37.83 164.6,37.2 v1(165.4,37.2)
  Bottom w0.25: v1(165.4,37.2) 166.28,38.07 166.28,41.88 arc(166.36,42.09) 166.57,42.18 arc(166.77,42.26) 166.86,42.47 166.86,42.48 arc(166.77,42.69) 166.57,42.78 165.98,42.78 arc(165.78,42.86) 165.69,43.07 165.69,43.08 arc(165.78,43.29) 165.98,43.38 166.57,43.38 arc(166.77,43.46) 166.86,43.67 166.86,43.68 arc(166.77,43.89) 166.57,43.98 165.98,43.98 arc(165.78,44.06) 165.69,44.27 165.69,44.28 arc(165.78,44.49) 165.98,44.58 166.57,44.58 arc(166.77,44.66) 166.86,44.87 166.86,44.88 arc(166.77,45.09) 166.57,45.18 166.28,45.18 166.28,45.18 165.98,45.18 arc(165.78,45.27) 165.69,45.48 165.69,45.49 arc(165.78,45.7) 165.98,45.78 arc(166.19,45.87) 166.28,46.08 166.28,46.49 131.14,81.62 131.14,82.3 130.57,82.88 130.57,83.76 v1(129.5,84.83)
SD2_DATA1: length 75
  Top w0.25: U1.14 128.85,84.25 129,84.1 130.37,84.1 v1(131.46,83.01) ; U8.1 164,39.12 164.22,38.9 164.22,38.3 164.6,37.92 166.08,37.92 166.4,37.6 166.4,36.6 v1(166,36.2)
  Bottom w0.25: v1(131.46,83.01) 167.65,46.82 167.65,41.25 arc(167.62,41.19) 167.56,41.16 arc(167.49,41.13) 167.47,41.07 167.47,40.65 arc(167.49,40.59) 167.56,40.56 arc(167.62,40.53) 167.65,40.47 167.65,37.85 v1(166,36.2)
SD2_DATA2: length 75
  Top w0.25: U8.9 160.07,33.92 v1(159.8,34.2) ; v1(129.79,83.22) 129.36,83.65 U1.16
  Bottom w0.25: v1(159.8,34.2) 157.85,36.15 157.85,37.2 arc(157.94,37.41) 158.15,37.5 158.16,37.5 arc(158.37,37.59) 158.46,37.8 arc(158.37,38.01) 158.16,38.1 157.54,38.1 arc(157.33,38.19) 157.24,38.4 arc(157.33,38.61) 157.54,38.7 158.16,38.7 arc(158.37,38.79) 158.46,39 arc(158.37,39.21) 158.16,39.3 157.54,39.3 arc(157.33,39.39) 157.24,39.6 arc(157.33,39.81) 157.54,39.9 158.16,39.9 arc(158.37,39.99) 158.46,40.2 arc(158.37,40.41) 158.16,40.5 157.54,40.5 arc(157.33,40.59) 157.24,40.8 arc(157.33,41.01) 157.54,41.1 157.55,41.1 arc(157.76,41.19) 157.85,41.4 157.85,48.15 129.39,76.61 129.39,82.82 v1(129.79,83.22)
SD2_DATA3: length 75
  Top w0.25: v1(160.4,35.25) 161.07,34.58 U8.8 ; U1.18 128.94,83.05 130.03,81.96 v1(130.42,81.96)
  Bottom w0.25: v1(160.4,35.25) 159.4,36.25 159.4,41.05 arc(159.31,41.26) 159.1,41.35 159.02,41.35 arc(158.81,41.44) 158.72,41.65 arc(158.81,41.86) 159.02,41.95 159.78,41.95 arc(159.99,42.04) 160.08,42.25 arc(159.99,42.46) 159.78,42.55 159.02,42.55 arc(158.81,42.64) 158.72,42.85 arc(158.81,43.06) 159.02,43.15 159.78,43.15 arc(159.99,43.24) 160.08,43.45 arc(159.99,43.66) 159.78,43.75 159.02,43.75 arc(158.81,43.84) 158.72,44.05 arc(158.81,44.26) 159.02,44.35 159.78,44.35 arc(159.99,44.44) 160.08,44.65 arc(159.99,44.86) 159.78,44.95 159.02,44.95 arc(158.81,45.04) 158.72,45.25 arc(158.81,45.46) 159.02,45.55 159.1,45.55 arc(159.31,45.64) 159.4,45.85 159.4,47.5 130.02,76.88 130.02,81.56 v1(130.42,81.96)
